# Altium PCB SPG_300.PcbDoc (part 7 of 7)
Units mil, origin at the board's own origin, x right, y up, seen from the top; angles counter-clockwise.
Board outline 7834.65 x 4330.71 mil, 4 copper layers (Top, Route2-SIG, Route3-GND, Bottom), stack 67.156 mil thick; 659 components, 376 nets, 2304 pads, 665 vias.
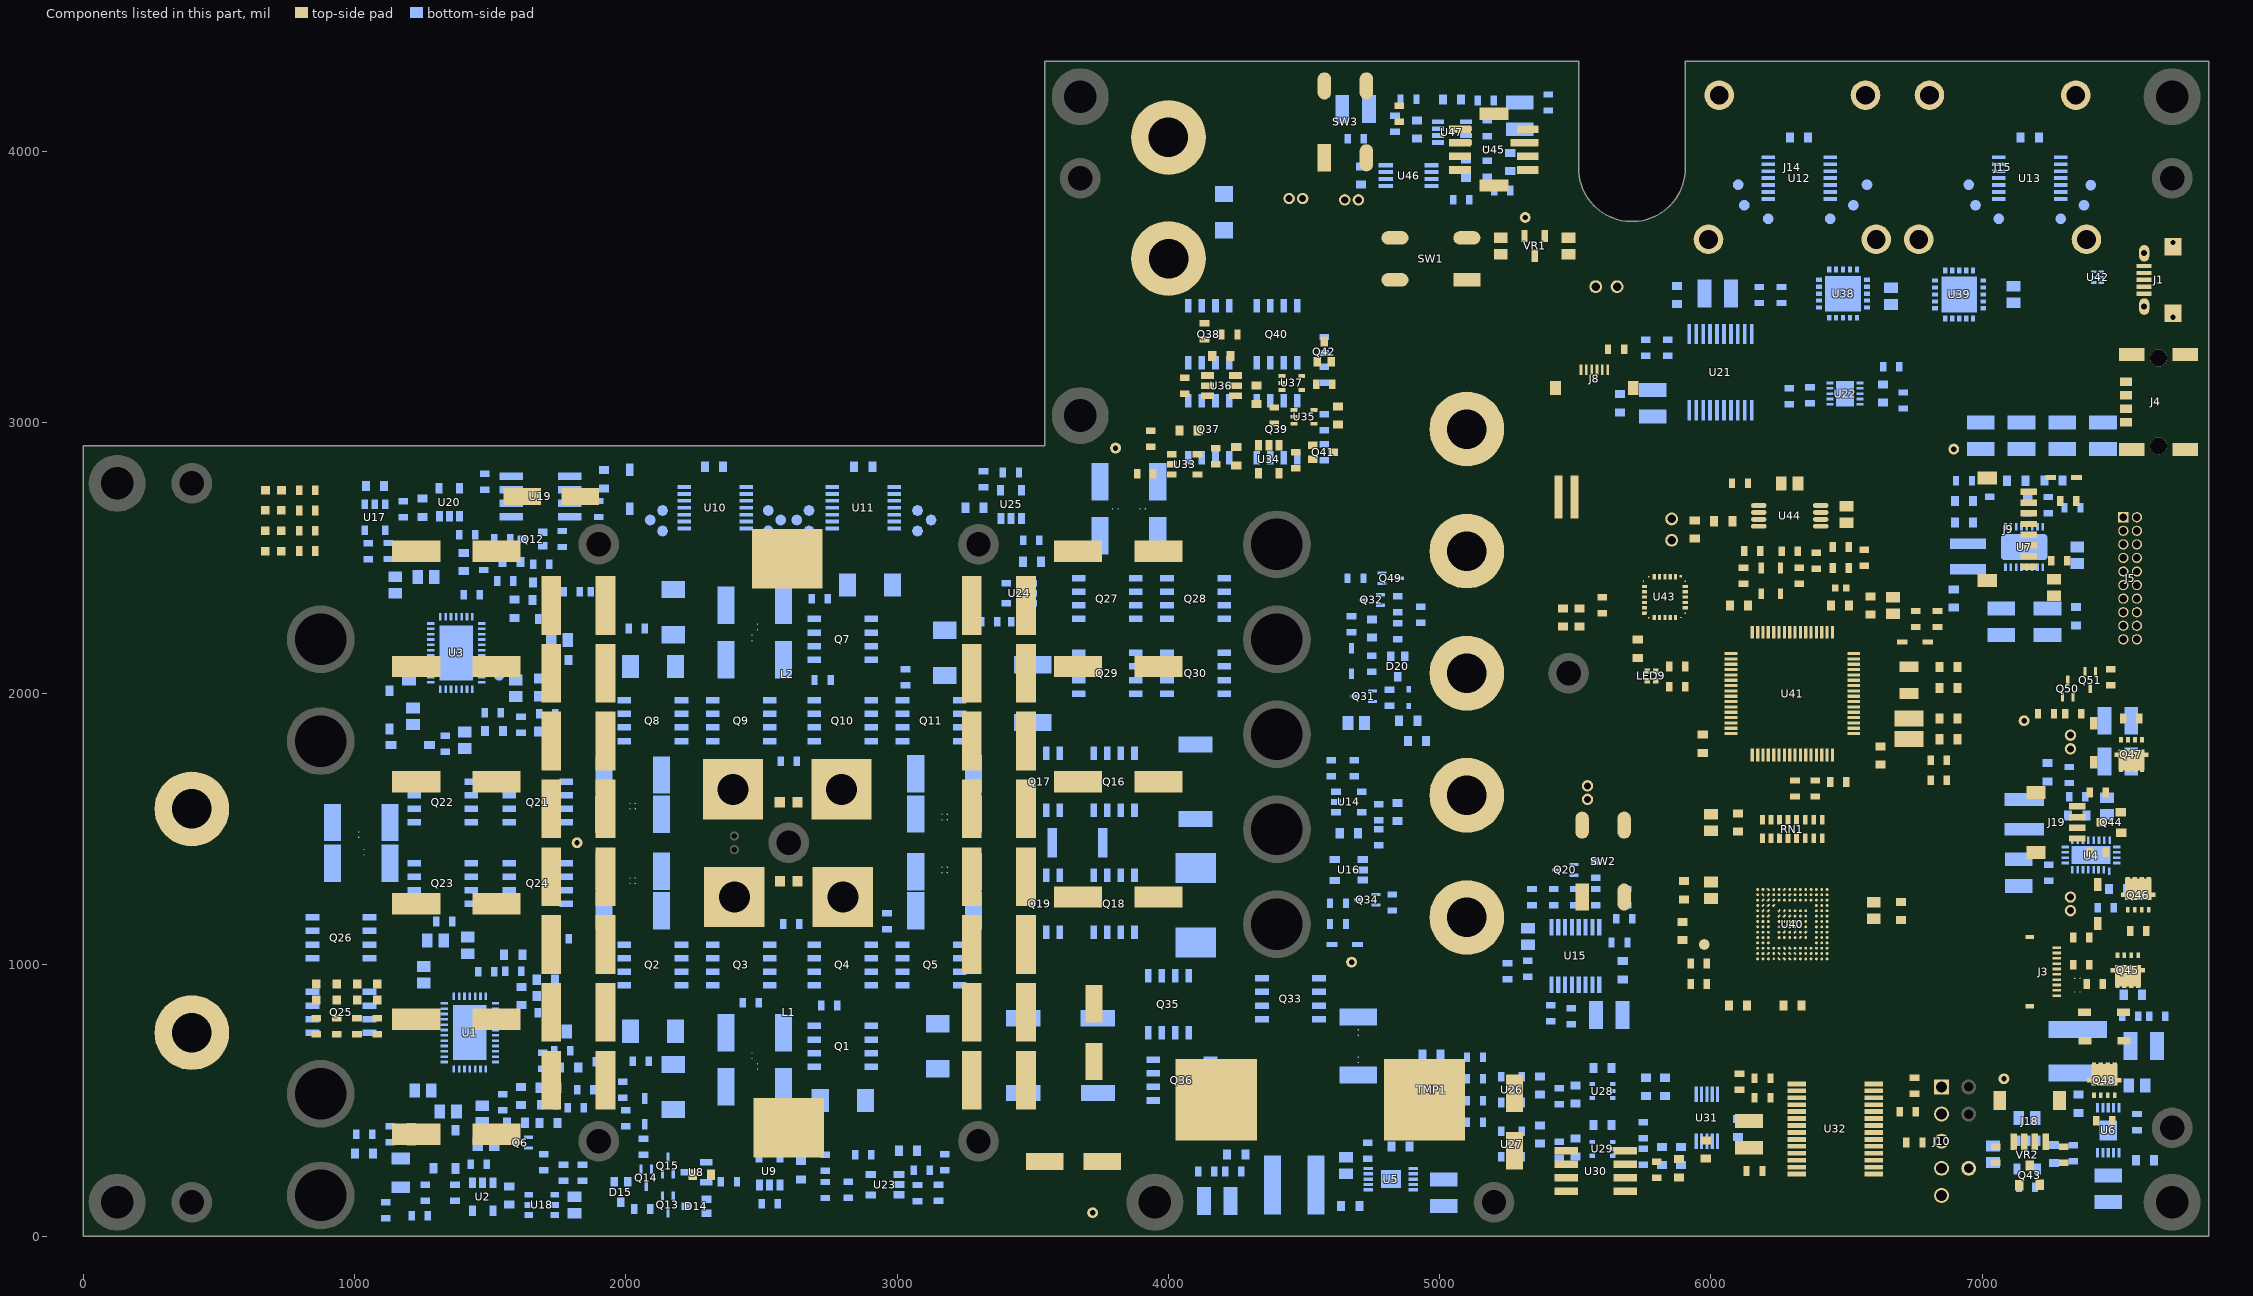
[diagram p9: the components of this part, seen from the top]

## Silkscreen, mask and mechanical layers (free items; w line width, h text height) (continued)
Top Solder:
  circle w14: c6050,1424.99 r7
  circle w14: c6550,874.99 r7
  rectangle: 1570.19,1400 1650.4,1500
  rectangle: 3570,1400 3625,1500
  rectangle: 3898.96,750 4000.47,850.16
  rectangle: 3900,547.24 4000.47,650
  region: 425,1898.95 425,2125 675,2125 675,1898.95
  region: 425,228.95 425,455 675,455 675,228.95
Bottom Solder:
  rectangle: 1075,1650 1155,1715
  rectangle: 1675,1740 1775,1815
  rectangle: 3405,990 3525,1070
  region: 425,1896.25 425,2122.3 675,2122.3 675,1896.25
  region: 425,226.25 425,452.3 675,452.3 675,226.25
Dimension:
  the board outline again, w5
Milling:
  lines w10: 3425.2,0 7834.65,0 7834.65,2480.32 ; 3425.2,0 0,0 0,2913.39 3543.31,2913.39 3543.31,4330.71 4133.86,4330.71 ; 3425.2,0 3425.2,2480.32 7834.65,2480.32 ; 4133.86,4330.71 ccw(c5708.66,4330.71) 7283.46,4330.71 ; 4133.86,4330.71 5511.81,4330.71 5511.81,3937.01 ccw(c5708.66,3937.01) 5905.51,3937.01 5905.51,4330.71 7283.46,4330.71 ; 7283.46,4330.71 7834.65,4330.71 7834.65,2480.32
  text "APPROX CARTRIDGE OUTLINE" at 4675,4400 h85
  text "BATTERY OUTLINE" at 5500,2325 h85
  text "VFC+" at -50,1700 h63.75 r90
  text "FC INPUT" at -50,950 h85 r90
  text "BATTERY OUTLINE" at 3849.96,575 h85 r90
  text "VFC-" at -50,550 h63.75 r90
  text "LOW PROFILE PARTS & HEATSINK ON BOTTOM" at 8175,450 h85 r90
  text "BATTERY & CARTRIDGE LOCATED ON BOTTOM SIDE" at 8025,300 h85 r90
Top Assembly:
  lines w10: 0,2900 0,0 7834.65,0 7834.65,4330.71 5905.51,4330.71 5905.51,3937.01 cw(c5708.66,3937.01) 5511.81,3937.01 5511.81,4330.71 3543.31,4330.71 3543.31,2913.39 0,2913.39
Bottom Assembly:
  lines w10: 0,100 0,2800 ; 0,0 0,2913.39 3543.31,2913.39 3543.31,4330.71 5511.81,4330.71 5511.81,3937.01 ccw(c5708.66,3937.01) 5905.51,3937.01 5905.51,4330.71 7834.65,4330.71 7834.65,0 0,0
JUNK20:
  lines w7: 6220,1022.1 6231.05,1033.15 6241,1023.2
  lines w7.2: 6303.6,1103.3 6355,1155 ; 6314.7,1096.9 6358,1140
  lines w10: 2325,1450 2475,1450 ; 2400,1375 2400,1525

## Dimensions
0,0 to 7834.65,0 on Milling
0,0 to 0,2913.39 on Milling
3425.2,0 to 4133.86,4330.71 on Milling
0,2913.39 to 3543.31,2913.39 on Milling
3543.31,4330.71 to 7834.65,4330.71 on Milling
3543.31,4330.71 to 5511.81,4330.71 on Milling
5905.51,4330.71 to 7834.65,4330.71 on Milling
5708.66,3937.01 to 5425,3655 on Milling
5511.81,4330.71 to 5511.81,3937.01 on Milling
7834.65,0 to 7834.65,4330.71 on Milling

## Text inside footprints (layer, text, board x,y; h text height)
J14: Top Overlay, White "K" at 6016.54,3454.76 h23.62; Top Overlay, White "+" at 6563.78,3456.73 h23.62
J15: Top Overlay, White "K" at 6791.54,3454.76 h23.62; Top Overlay, White "+" at 7338.78,3456.73 h23.62